# Altium PCB MiniPC.PcbDoc (part 17 of 22)
Units mm, origin at the board's own origin, x right, y up, seen from the top; angles counter-clockwise.
Board outline 175 x 155 mm, 16 copper layers (1_Top, 2_int1_(gnd), 3_int2_(power), 4_int3_(gnd), 5_int4_(sign), 6_int5_(power), 7_int6_(sign), 8_int7_(power), 9_int8_(gnd), 10_int9_(sign), 11_int10_(gnd), 12_int11_(sign), 13_int12_(gnd), 14_int13_(power), 15_int14_(gnd), 16_Bottom), stack 2.008 mm thick; 1046 components, 837 nets, 6010 pads, 4009 vias.
Unrouted connection lines stored in the file: 575.
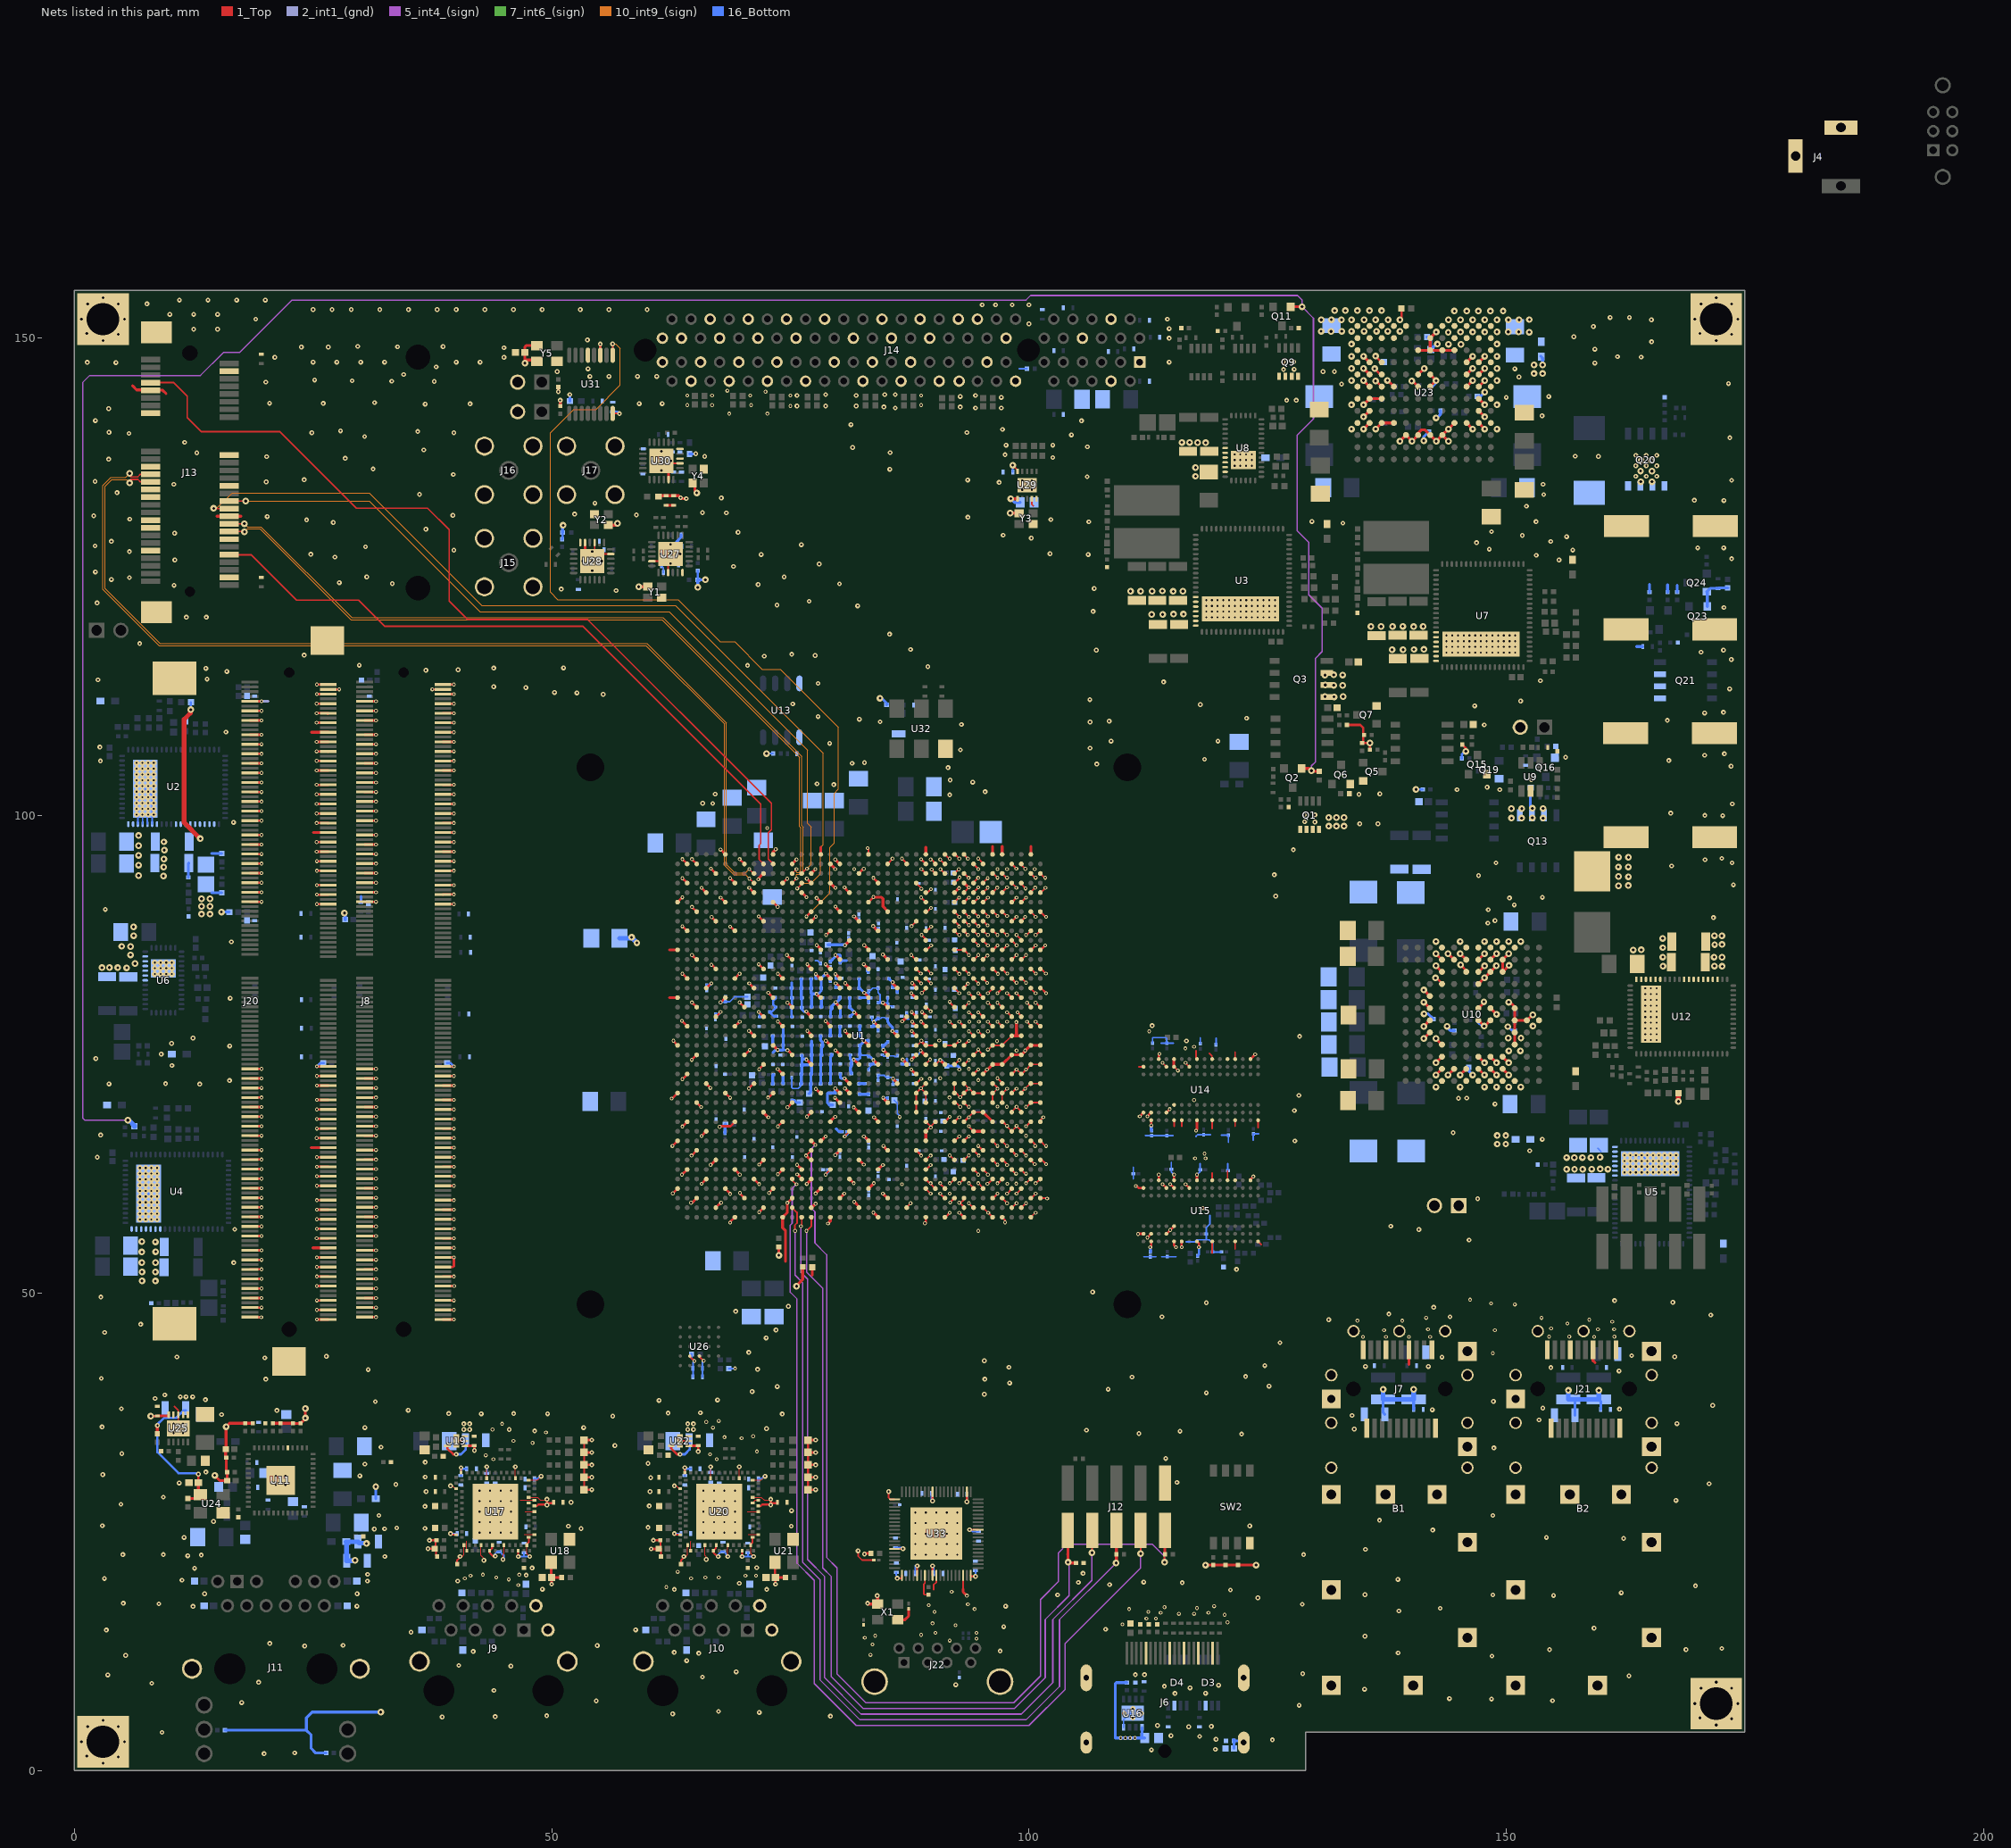
[diagram p31: the nets of this part, all layers, seen from the top]

## Via types
v1: diameter 0.4, hole 0.2, 1_Top to 16_Bottom, tented both sides, 1658 vias
v2: diameter 0.5, hole 0.2, 1_Top to 16_Bottom, tented both sides, 1014 vias
v3: diameter 0.7, hole 0.3, 1_Top to 16_Bottom, tented both sides, 915 vias
v4: diameter 0.6, hole 0.2, 1_Top to 16_Bottom, tented both sides, 278 vias
v5: diameter 0.4, hole 0.2, 1_Top to 16_Bottom, 93 vias
v6: diameter 0.4/0/0/0/0/0/0/0/0/0/0/0/0/0/0/0.4 (per signal layer), hole 0.2, 1_Top to 16_Bottom, tented both sides, 18 vias
v7: diameter 0.4/0/0/0/0/0/0/0/0/0/0/0.4/0.4/0.4/0.4/0.4 (per signal layer), hole 0.2, 1_Top to 16_Bottom, tented both sides, 16 vias
v8: diameter 0.5, hole 0.254, 1_Top to 16_Bottom, tented both sides, 15 vias
v9: diameter 0.5, hole 0.2, 1_Top to 16_Bottom, 2 vias

## Nets (pads, with @x,y where several pads share a name; then routed paths per layer and width w, separated by ;. In a path a pad name is that pad's centre, name@x,y a point inside that pad or via, vN(x,y) a via of type N, cw(c..) or ccw(c..) an arc to the next point about the centre after c; other vN are vias at no path point) (continued)
GND: (continued)
  16_Bottom w0.17: U2.32@6.65,99.11 U2.69@6.65,102.04 ; U2.31@7.15,99.11 7.15,102.54 U2.69@7.42,102.81 8.15,102.08 U2.29@8.15,99.11 ; U4.69@7.5,59.5 7.5,60.13 U4.69@7.77,60.4 8,60.17 U4.69@8,58.3 ; U2.30@7.65,99.11 U2.69@7.65,100.11 ; U6.39@8.875,84.455 U6.39@9.325,84.005 ; C514.2@61.5,126.15 61.7,125.95 C515.2@61.7,125.45 ; C197.1@75.15,72.565 75.16,72.555 75.16,71.54 75.275,71.425 75.825,71.425 76.11,71.71 C199.1@76.11,71.875 ; 77.6,84.8 77.885,84.8 C480.1@78.175,84.51 ; C249.1@82.31,74.975 82.31,74.91 83.055,74.91 C227.1@83.2,74.765 ; C158.1@83.2,73.36 83.2,73.539 83.454,73.793 C424.1@83.454,73.939 ; C184.1@83.2,81.64 83.34,81.64 83.64,81.94 C175.1@84.2,81.94 84.2,81.456 84.4,81.256 84.4,80.61 C436.1@84.2,80.41 ; C179.1@83.535,78.9 83.535,78.59 v1(83.75,78.375) ; 83.7,73.975 v1(83.7,74.4) ; C157.1@84.2,72.285 C260.1@84.2,72.765 84.22,72.785 84.859,72.785 85.054,72.59 C156.1@85.225,72.59 85.61,72.59 v1(85.75,72.45) v1@85.76,72.44 ; C183.1@84.2,78.765 84.471,78.765 84.566,78.86 84.884,78.86 85.079,78.665 C181.1@85.2,78.665 ; C230.1@84.635,74.95 84.771,74.814 85.121,74.814 C262.1@85.2,74.735 ; v1(84.704,80.404) 85.031,80.404 C174.1@85.2,80.235 ; v1@84.71,75.49 v1(84.75,75.45) 85.2,75 C262.1@85.2,74.735 ; C202.1@85.2,80.94 C174.1@85.2,80.235 ; v1(85.7,77.425) 85.735,77.39 C182.1@86.175,77.39 ; C201.1@85.74,79.975 85.74,80.065 85.37,80.065 C174.1@85.225,80.21 C174.1@85.2,80.235 ; C119.1@85.76,71.85 v1@85.76,72.44 ; 86.1,82 86.2,81.9 86.2,81.85 ; C216.1@86.19,74.9 86.025,74.735 85.959,74.735 85.859,74.835 85.3,74.835 C262.1@85.2,74.735 ; C259.1@86.2,72.215 85.985,72.215 v1@85.76,72.44 ; C180.1@87.2,79.315 87.2,78.7 87.4,78.7 ; 88.3,74.9 88.65,75.25 v1(88.65,75.4) ; 99,146.8 R332.2@99.8,146.8 ; U16.8@109.9,4.5 109.9,5.3 110.575,5.975 U16.9@110.875,5.975 ; 110.94,61.94 C269.1@110.94,62.5 110.94,63.16 ; 112.01,53.79 C265.1@112.725,53.79 113.29,53.79 ; 112.2,66.5 112.19,66.49 C264.1@112.85,66.49 C280.1@114.45,66.49 115.09,66.49 ; C270.1@112.95,76.16 112.95,76.75 114.35,76.75 114.425,76.675 C276.1@114.425,76.16 ; 113.84,76.16 C276.1@114.425,76.16 ; 113.9,53.8 115.4,53.8 ; 114.91,63.69 C275.1@114.91,62.95 114.91,62.69 v1(115.2,62.4) ; 115.14,76.16 C276.1@114.425,76.16 ; 116.468,55.368 117.383,55.368 117.59,55.575 118.585,55.575 ; 117.5,66.4 117.69,66.59 C268.1@118.3,66.59 118.99,66.59 ; v1(117.6,62.4) 117.94,62.74 C273.1@117.94,62.9 117.94,63.56 ; C278.1@117.95,76.11 117.95,76.75 ; 118.965,58.11 118.965,57.265 118.585,56.885 C281.1@118.585,56.175 118.585,55.575 ; C272.1@119.6,76.01 119.6,76.7 ; C282.1@120.14,54.3 C279.1@119.235,54.3 119.235,55.24 118.9,55.575 118.585,55.575 ; 120.16,66.54 C266.1@120.9,66.54 120.9,65.8 ; C277.1@120.835,62.825 120.835,63.565 ; 123.5,66 C274.1@123.5,66.665 124.065,66.665 ; C38.1@159.585,65.155 C38.1@159.934,64.806 ; U5.69@162.985,64.306 164.315,64.306 U5.69@165.085,63.536 U5.69@164.355,62.806
  16_Bottom w0.2: C388.1@65.8,41.2 65.8,42.775 v1(65.925,42.9) ; R322.1@68.55,42.1 v1(69.2,42.1)
  16_Bottom w0.25: v1(25.398,73.725) 25.773,74.1 R236.1@26.1,74.1 ; R231.1@39.025,74.1 39.375,74.1 v1(39.75,73.725) ; v1(71.694,79.439) 71.79,79.343 C127.1@71.79,78.925 ; C231.1@73.415,80.95 73.415,80.815 73.2,80.6 73.2,80.215 C244.1@73.465,79.95 73.465,79.865 73.04,79.44 C128.1@72.825,79.44 73.29,78.975 C234.1@73.54,78.975 ; 74.23,77.6 74.265,77.635 C167.1@74.265,76.95 C219.1@74.265,75.95 74.265,75.535 74.371,75.429 v1(74.704,75.429) ; 75.154,82.5 75.154,81.944 C221.1@75.135,81.925 75.135,80.95 C241.1@75.16,80.925 75.16,79.95 C245.1@75.135,79.925 75.135,78.975 C218.1@75.185,78.925 ; 76.21,80.735 C246.1@76.21,79.9 76.21,79.691 76.426,79.475 v1(76.675,79.475) ; C267.1@117.65,53.885 117.8,54.035 v1(117.8,54.8)
  16_Bottom w0.3: C288.1@30.025,90.9 30.025,91.55 ; 63.1,128.7 63.55,129.15 C512.2@63.55,129.4 ; C474.1@68.15,66.735 68.15,67.625 R237.1@68.2,67.675 ; C198.1@73.165,71.875 73.165,72.805 C125.1@73.235,72.875 ; C164.1@73.165,76.925 73.165,75.95 C240.1@73.19,75.925 ; 73.2,75.2 73.45,75.45 v1(73.675,75.45) 74.18,75.45 74.265,75.535 ; 74.229,72.829 74.229,71.961 C238.1@74.265,71.925 ; C124.1@75.175,70.19 75.41,70.19 75.65,69.95 R187.2@76,69.95 ; C199.1@76.11,71.875 76.154,71.919 76.154,72.881 C211.1@76.135,72.9 76.2,72.965 76.2,73.84 C428.1@76.21,73.85 ; C235.1@76.16,82.9 C243.1@76.16,81.9 76.16,80.785 76.21,80.735 ; C426.1@76.21,74.875 76.21,74.5 ; v1(76.7,74.45) 76.65,74.5 76.21,74.5 ; R188.2@76.95,70.875 77.135,71.06 C225.1@77.135,71.9 77.16,71.925 C212.1@77.16,72.925 77.225,72.99 77.225,74.225 ; C256.1@77.185,82.9 C207.1@77.185,81.9 77.185,81.415 77.235,81.365 ; 77.225,76.375 77.225,75.985 C208.1@77.26,75.95 77.235,75.925 C210.1@77.235,74.925 77.225,74.915 77.225,74.225 ; C440.1@77.235,79.95 77.235,81.365 ; C250.1@78.16,71.9 78.185,71.925 C226.1@78.185,72.925 C430.1@78.185,73.95 78.185,74.825 C239.1@78.26,74.9 78.26,75.671 78.36,75.771 C196.1@78.36,75.95 78.36,76.281 78.16,76.481 C236.1@78.16,76.925 ; C427.1@78.26,79.95 78.25,79.96 78.25,80.835 C232.1@78.34,80.925 78.15,80.925 v1(77.75,81.325) ; C459.1@79.175,77.89 79.185,77.88 C209.1@79.185,76.925 ; C204.1@79.175,82.685 79.175,83 v1(78.725,83.45) 78.235,82.96 C144.1@78.235,82.95 C242.1@78.235,81.925 78.235,81.635 77.925,81.325 v1(77.75,81.325) ; C143.1@79.175,84.685 79.725,85.235 v1(79.725,85.4) 80.2,85.4 80.225,85.375 C463.1@80.225,84.61 80.44,84.825 80.9,84.825 ; C251.1@79.185,71.95 79.21,71.975 C213.1@79.21,72.95 C429.1@79.21,73.975 79.21,74.696 79.335,74.821 C222.1@79.335,75 ; C191.1@79.21,78.95 79.21,79.59 79.335,79.715 C438.1@79.335,79.9 79.335,80.035 v1(79.75,80.45) ; 79.8,67.2 80.1,66.9 C451.1@80.44,66.9 ; C233.1@80.185,80.95 80.185,80.771 79.864,80.45 v1(79.75,80.45) ; C163.1@80.21,76.925 C458.1@80.21,77.925 ; C252.1@80.235,72.95 80.235,72.565 80.325,72.475 v1(80.675,72.475) ; C194.1@80.235,78.95 80.235,79.965 v1(79.75,80.45) ; C173.1@81.235,80.925 81.225,80.915 81.225,79.985 C171.1@81.235,79.975 81.235,79.865 v1(81.7,79.4) 81.7,79.39 C176.1@81.285,78.975 ; C214.1@81.285,74.95 81.285,74.515 81.5,74.3 81.385,74.185 C437.1@81.385,73.975 81.385,73.721 81.3,73.636 81.3,73.239 81.385,73.154 C255.1@81.385,72.975 ; v1(81.65,74.45) 82.114,74.45 82.31,74.646 C249.1@82.31,74.91 ; C253.1@82.2,71.915 82.21,71.925 C155.1@82.815,71.925 ; C190.1@82.21,82.9 C188.1@82.21,81.9 82.3,81.9 v1(82.75,81.45) 82.785,81.415 83.2,81.415 83.2,81.115 C187.1@83.39,80.925 83.2,80.735 C435.1@83.2,80.435 ; C200.1@82.225,70.84 82.25,70.815 C195.1@83.225,70.815 ; C249.1@82.31,74.975 82.275,75.01 82.275,75.586 82.31,75.621 82.31,75.9 C160.1@82.285,75.925 82.775,76.415 C166.1@83.175,76.415 83.165,76.425 v1(82.7,76.425) 82.285,76.84 C224.1@82.285,76.975 82.31,77 82.31,77.179 82.275,77.214 82.275,77.94 C203.1@82.31,77.975 ; C439.1@82.31,80.925 C187.1@83.2,80.925 ; 82.9,84.2 83.035,84.065 83.035,83.75 C193.1@83.175,83.61 ; C227.1@83.2,74.765 83.335,74.765 v1(83.7,74.4) ; C424.1@83.454,73.939 83.49,73.975 83.7,73.975 ; C177.1@83.585,77.925 C177.1@83.635,77.975 ; C162.1@84.175,77.51 84.175,77.81 C185.1@84.34,77.975 C177.1@83.635,77.975 ; C183.1@84.2,78.765 84.14,78.765 v1(83.75,78.375) 83.75,78.09 C177.1@83.635,77.975 ; C436.1@84.2,80.41 84.698,80.41 v1(84.704,80.404) ; v1@84.71,75.49 C254.1@84.71,75.95 84.86,75.95 C165.1@85.225,76.315 ; v1(84.725,70.45) 84.76,70.415 C120.1@85.2,70.415 ; C181.1@85.2,78.665 85.2,78.4 85.304,78.296 85.304,78.217 85.7,77.822 v1(85.7,77.425) ; C170.1@85.335,82.925 85.335,82.91 85.71,82.535 C172.1@85.71,82 86.1,82 ; C192.1@86.2,81.51 86.2,81.85 ; C263.1@86.71,73.975 C229.1@87.365,73.975 ; 87.2,74.5 87.2,74.14 C229.1@87.365,73.975 ; C229.1@87.39,73.95 C229.1@87.365,73.975 ; v1(90.7,74.4) 90.79,74.4 C417.1@91.4,73.79 92.51,73.79 92.7,73.6 v5(92.7,73.4) ; Q23.2@171.05,121.9 171.05,123.4 Q24.2@171,123.45 171.35,123.8 C79.1@172.2,123.8 172.25,123.85 R140.1@173.2,123.85 ; C428.1@76.21,73.85 76.21,74.5 ; C428.1@76.21,73.85 76.26,73.9 76.886,73.9 76.893,73.893 77.225,74.225 ; 77.235,81.365 77.275,81.325 v1(77.75,81.325)
  other v1: 91.7,13.6 94.5,13.8 94.5,14.4 92.3,15.2 148.6,43.7 135,45.4 137.4,45.4 139.8,45.4 142.025,45.4 159.2,45.4 154.475,45.425 156.6,45.425 161.325,45.425 137.2,46.1 148.8,46.1 141.8,46.2 159.6,46.2 161.3,46.2 154.7,46.3 156.4,46.8 161.1,47 134.4,47.1 139.1,47.1 158.7,47.2 141.6,47.4 153.7,47.4 150.9,48.8 148.4,48.9 146.2,49.3 114.8,56.6 97.72,61.44 98.67,61.45 99.7,66.46 93.7,68.4 97.68,69.5 96.7,69.52 89.61,72.44 95.6,73.4 73.679,73.454 94.7,75.5 96.65,76.37 88.725,76.425 90.6,76.45 83.7,91.475 93.7,92.475 90.7,95.4 72.579,98.705 68.6,142.1 72.6,142.1 75,142.9 64.2,143 66.8,143 70.9,143 88.7,143 64.2,144 66.8,144 70.8,144 75,144 88.7,144 72.4,144.4 68.4,144.5
  other v2: 19.875,1.75 23.075,1.825 112.825,2.15 119.525,2.2 125.5,3.2 119.6,3.25 117.88,3.56 114.875,3.625 9.175,3.975 116.73,4.56 119.11,4.61 113.46,4.7 110.875,5.475 38.525,5.6 44.075,5.625 79.2,5.675 49.475,5.725 62.675,5.925 109.975,5.975 111.775,5.975 71.75,6.075 67.475,6.175 110.875,6.475 128.3,6.825 17.525,7.1 54.675,7.275 154.85,7.3 148.45,7.475 144.05,7.525 115.3,8.06 118.5,8.08 43.95,8.375 135.15,8.5 116.88,8.64 114.18,8.81 119.87,8.92 92.325,8.975 8.1,9.125 19.3,9.225 65.8,9.775 162.85,9.9 3.5,10 111.15,10.025 112.1,10.025 128.675,10.125 69.325,10.325 45.725,10.925 40.275,11 64.15,11.5 148.5,11.975 5.375,12.05 65.41,12.27 138.675,12.3 62.84,12.36 41.775,12.45 96.975,12.5 154.525,12.65 168.825,12.65 172.575,12.775 24.125,13.025 54.775,13.075 28.15,13.1 20.475,13.3 135.2,14.05 35.275,14.475 3.35,14.7 58.8,14.725 108.025,14.775 159.2,14.9 97.35,15.05 138.75,16.7 143.075,16.975 12.425,17.175 29.6,17.2 97.55,17.2 128.625,17.4 8.85,17.45 5.125,17.5 123.975,18.075 154.95,18.325 103,18.375 148.6,18.375 135.2,18.4 13.64,18.5 29.625,18.5 162.05,18.6 121.1,18.9 62.85,18.95 72.525,18.95 49.025,18.975 169.825,19.325 108.45,19.45 69.65,19.6 116.05,19.65 105.17,19.69 112.025,19.725 30.7,19.825 40.15,19.825 11.275,19.925 138.65,20 3.15,20.1 47.325,20.45 30.725,20.525 105.66,20.64 12.59,21.17 47.95,21.2 71.475,21.225 32.525,22.4 11.88,22.48 13.3,22.55 5.075,22.6 9.325,22.6 88.1,22.6 89.2,22.6 90.3,22.6 91.4,22.6 92.5,22.6 128.775,22.6 135.25,23.15 88.1,23.7 89.2,23.7 90.3,23.7 91.4,23.7 92.5,23.7 162.3,24.3 11.5,24.4 154.2,24.4 88.1,24.8 89.2,24.8 90.3,24.8 91.4,24.8 92.5,24.8 42.45,24.9 43.55,24.9 44.65,24.9 45.75,24.9 65.9,24.9 67,24.9 68.1,24.9 69.2,24.9 142.3,25.175 31.425,25.275 32.5,25.3 53.075,25.325 36.725,25.35 33.775,25.4 60.1,25.45 51.75,25.575 75.1,25.575 123.125,25.6 2.925,25.625 88.1,25.9 89.2,25.9 90.3,25.9 91.4,25.9 92.5,25.9 42.45,26 43.55,26 44.65,26 45.75,26 65.9,26 67,26 68.1,26 69.2,26 14.587,26.075 136.725,26.2 31.9,26.7 148.6,26.7 88.1,27 89.2,27 90.3,27 91.4,27 92.5,27 42.45,27.1 43.55,27.1 44.65,27.1 45.75,27.1 65.9,27.1 67,27.1 68.1,27.1 69.2,27.1 75.125,27.2 36.725,27.65 60.225,27.7 4.875,27.875 52.025,28.075 42.45,28.2 43.55,28.2 44.65,28.2 45.75,28.2 65.9,28.2 67,28.2 68.1,28.2 69.2,28.2 167.775,28.275 9.325,28.625 36.85,29.2 60.3,29.2 42.45,29.3 43.55,29.3 44.65,29.3 45.75,29.3 65.9,29.3 67,29.3 68.1,29.3 69.2,29.3 21.112,29.875 22.112,29.875 33.675,29.95 171.25,30.025 10.975,30.1 115.51,30.165 60.375,30.65 36.75,30.725 29.9,30.85 21.112,30.875 22.112,30.875 2.975,30.975 13.775,31.25 30.425,32.075 60.1,32.15 36.75,32.275 114.325,32.675 4.975,33.175 148.7,33.775 32.125,33.85 56.625,34.025 122.275,35.225 111.525,35.275 10.387,35.325 11.387,35.325 115.825,35.525 48.225,35.55 106.025,35.625 45.55,35.7 134.08,35.75 72.5,35.8 30.425,35.9 53.35,35.9 2.9,35.975 10.387,36.325 11.387,36.325 167.875,36.325 153.43,36.71 56.4,37.1 133.85,37.17 15.425,37.275 74.15,37.325 42.625,37.35 49.575,37.35 39.225,37.375 46.025,37.375 62.2,37.425 65.575,37.45 21.225,37.7 34.975,37.725 142.25,37.77 161.86,37.84 4.925,37.875 153.83,37.95 171.625,38.225 31.525,38.625 148.65,38.65 61.25,38.75 67.375,38.8 13.725,38.825 8.45,38.95 9.475,39.325 95.325,39.4 118.575,39.55 71,39.675 108.3,39.925 73.625,40.2 125.15,40.25 97.975,40.575 20.05,40.975 95.375,40.975 2.825,41.05 110.8,41.2 122.7,41.25 161.81,41.84 30.775,41.975 71.575,42 154.67,42.19 97.9,42.225 135.25,42.31 141.84,42.31 124.7,42.4 95.325,42.9 19.95,43.2 10.75,43.3 143.27,43.29 167.65,43.325 26.4,43.375 163.14,43.44 70.65,43.775 126.3,44.8 72.475,45.3 3.175,45.875 73.5,46.125 6.95,46.725 131.4,47.2 113.925,47.5 144.1,47.5 171.425,47.7 137.7,47.8 69.275,48.075 142.4,48.5 74.8,48.6 118.575,48.975 167.45,49.025 161.35,49.2 2.775,49.575 106.675,50.1 121.75,52.475 16.7,53.175 146.1,55.55 140.85,56.65 16.8,56.675 137.9,57 147,59.875 2.4,64.225 152.45,64.9 127.85,65.925 153.775,66.1 2.75,66.55 144.44,66.795 127.8,69.1 148.815,69.795 144.99,70.395 145.865,70.42 128.275,70.7 13.125,71.875 3.625,71.9 9.55,71.925 16.25,72.25 10.225,73.825 2.25,74.55 9.1,75.025 16.275,75.875 10.19,76.14 116.5,76.4 12.425,76.7 128.35,76.875 112.9,78 16.325,80.875 16.45,86.775 148.065,88.745 148.815,88.995 171.705,89.31 148.115,90.145 3.25,90.175 150.84,90.645 150.34,91.37 153.79,91.445 125.85,91.575 173.8,92.75 147.095,93.725 125.7,93.8 167.325,94.725 148.92,95.05 173.65,95.05 170.825,95.375 172.575,95.525 127.7,96.425 134.65,99.15 136.55,99.15 16.675,99.3 172.675,100 170.8,100.025 167.225,100.25 173.675,101.225 66.875,101.275 65.825,101.3 91.7,102.175 134.575,102.225 67.125,102.25 136.75,102.275 95.4,102.5 144.845,102.725 149.32,102.725 147.995,102.975 79.55,103.25 77.8,103.325 94.1,103.5 91.75,103.725 152.62,103.75 91.525,105.025 173.55,105.175 107.1,105.4 81.475,105.475 82.775,105.55 2.725,105.725 167.025,105.775 118.4,105.9 156.22,106.107 170.775,106.325 172.85,106.475 92.825,106.875 106.4,107.075 2.675,107.175 79.125,107.575 108.6,107.8 119.8,107.8 15.875,108.75 147.695,109.5 92.925,109.55 84.4,109.825 106.4,109.8 108.4,109.9 166.875,109.975 82.225,110.1 122.8,110.2 77.9,110.375 170.775,110.75 172.75,110.825 146.69,111.5 117.95,111.625 75.25,111.7 151.51,112 106.375,112.15 55.4,112.7 52.65,112.85 50.3,112.9 173.4,113.275 47.3,113.4 43.925,113.5 77.9,113.85 114.1,114 153.57,114.135 2.475,114.225 13.9,114.3 15.975,115.1 36.825,115.225 40.2,115.275 13.775,115.425 43.925,115.45 51.25,115.475 89.4,115.6 70.525,115.725 29.85,115.75 173.575,116.35 72.275,116.7 77.6,116.775 24.075,116.8 75.15,116.9 170.4,117.125 107.05,117.325 172.75,117.325 87.6,117.4 6.85,118.025 85.4,119 11.725,120.775 13.825,120.775 106.72,121.39 172.8,121.8 82.05,121.975 73.6,122.05 2.375,122.275 76.975,122.45 56.75,123.575 51,123.725 106.83,123.78 10.45,124.125 71.625,124.2 80.15,124.275 33.3,124.3 27.75,124.4 3.875,124.725 5.775,124.925 30.625,125 74.35,125 2.2,125.525 69.05,126.1 78.025,126.35 10.525,126.775 155.53,126.78 173.6,126.905 27.3,127.075 153.14,127.26 71.95,127.35 106.2,127.35 24.775,127.375 102.2,127.425 5.775,127.65 39.75,127.8 156.96,127.81 148.22,127.91 170.05,128.05 172.775,128.05 30.5,128.15 2.175,128.25 76.15,128.375 146.89,128.59 154.66,128.72 3.875,128.725 100.24,129.07 156.32,129.22 151.68,129.35 97.3,129.375 10.5,129.575 69.525,129.675 148.45,129.74 36.825,130 132.89,130.635 27.125,130.7 106.275,130.775 153.12,130.78 129.64,130.81 24.325,130.975 102.3,131 5.8,131.05 93.6,131.25 20.2,131.325 2.025,131.4 39.65,131.45 58.875,131.5 52.4,131.575 68.3,131.7 65.8,131.725 152.11,132.41 54.525,132.725 172.8,133 169.7,133.025 67.775,133.275 36.15,133.65 153.925,133.625 4.475,133.825 99.3,134.115 100.3,134.115 10.425,134.7 153.85,134.7 96.875,134.9 20.1,134.95 2.175,135 99.3,135.115 100.3,135.115 173.6,135.115 93.575,135.15 24.075,135.175 106.1,135.5 39.7,135.725 85.425,136.275 31.3,136.3 3.6,137.325 28.375,137.425 102.5,137.5 20.15,137.6 66.025,137.625 159.65,137.625 157.225,137.65 97.5,137.8 12.825,138 85.45,138.025 36.6,138.3 81.525,138.55 106.125,138.625 97.6,138.8 102.5,138.8 11.55,139.1 173.425,139.575 30.4,139.7 104.45,139.875 5.725,140.025 24.875,140.1 39.75,140.1 93.5,140.125 3.625,140.15 35.975,140.225 27.875,140.3 97.225,140.45 81.35,140.95 105.5,141.35 2.2,141.375 153.75,141.875 3.6,142.625 86,142.7 94.4,142.7 97.1,142.7 84.8,142.8 92.8,142.8 75.7,142.9 78.7,142.9 81.9,142.9 36.75,143.1 41.45,143.125 26.075,143.175 59.175,143.15 61.575,143.15 20.45,143.2 31.45,143.25 127,143.5 128,143.5 97.1,143.8 150,143.8 92.8,143.9 154.45,143.9 75.7,144 81.9,144 94.4,144 78.7,144.1 84.9,144.1 86,144.1 132.75,145.2 173.275,145.25 20.05,145.4 37.7,145.475 33.25,145.5 29.1,145.55 25.175,145.625 151.325,145.94 54,146 56,146 59,146 61,146 34.5,146.2 50.575,146.5 130.8,146.5 132,146.5 53.8,146.8 150.9,146.8 37.9,147 159.275,147.4 4.35,147.45 1.35,147.475 25,147.5 27.5,147.5 30,147.5 32.5,147.5 40,147.5 42.5,147.5 114.683,147.5 21,148 45,148 164.125,148.025 161.65,148.075 159.275,148.85 45,149 23.775,149.075 26.6,149.075 33.85,149.1 38.625,149.125 29.675,149.15 165.225,149.625 53.75,149.825 114.683,150 157.075,150.15 12.5,150.95 15,150.95 114.683,151 159.125,151.225 100,151.5 165.2,151.925 19,152 114.5,152 160.875,152.175 162.9,152.175 10,152.5 12.5,152.5 15,152.5 25,153 27,153 29,153 32,153 35,153 38,153 40,153 43,153 46,153 49,153 53,153 56,153 60,153 95.1,153.5 96.5,153.5 98.25,153.5 100,153.5 7.6,153.6 11,154 14,154 17,154 20,154
  other v3: 3,0.75 4.6,1.4 1.3,1.5 0.75,3 5.25,3 1.4,4.6 4.6,4.6 172,4.75 3,5.25 173.6,5.4 170.3,5.5 169.75,7 174.25,7 170.4,8.6 173.6,8.6 172,9.25 7.09,51.27 8.49,51.26 7.08,52.2 8.49,52.21 8.51,53.18 7.07,53.19 7.07,54.29 8.52,54.32 8.49,55.35 7.07,55.39 156.31,62.96 157.15,62.96 158,62.95 158.95,62.98 160.65,62.97 159.83,62.99 157.13,64.18 156.31,64.19 157.98,64.19 158.87,64.19 159.82,64.22 142.63,71.575 145.17,71.575 147.71,71.575 148.98,71.575 150.25,71.575 151.52,71.575 150.265,75.37 151.49,75.37 150.215,76.695 151.54,76.695 152.79,77.95 5.48,84.06 2.9,84.08 3.67,84.09 4.55,84.08 166.42,84.23 6.36,84.51 166.4,85.18 5.88,85.41 163.3,85.93 164.14,85.94 166.4,86.17 5.88,86.28 4.96,86.31 142.63,86.815 145.17,86.815 147.71,86.815 148.98,86.815 150.25,86.815 151.52,86.815 166.39,87.15 6.22,87.42 6.2,88.34 9.33,93.68 6.72,93.72 9.36,94.6 6.73,94.81 9.38,95.45 6.73,95.84 9.42,96.38 6.73,96.86 9.38,97.25 6.73,97.91 138.04,117.37 139.19,117.38 140.33,117.4 141.37,117.41 136.88,119.8 140.29,119.79 135.82,119.81 138.08,119.81 139.16,119.83 141.3,119.81 112.86,121.065 114.01,121.075 115.15,121.095 116.19,121.105 115.11,123.485 110.64,123.505 111.7,123.495 112.9,123.505 116.12,123.505 113.98,123.525 117.45,135.54 117.45,136.45 118.51,139.05 116.01,139.08 116.82,139.08 117.67,139.07 133.78,140.49 149.02,140.49 133.78,143.03 149.02,143.03 133.78,145.57 149.02,145.57 133.78,146.84 149.02,146.84 133.78,148.11 149.02,148.11 145.25,149.35 133.78,149.38 143.95,149.375 149.02,149.38 3,149.75 172,149.75 4.6,150.4 173.6,150.4 1.3,150.5 170.3,150.5 0.75,152 5.25,152 169.75,152 174.25,152 1.4,153.6 4.6,153.6 170.4,153.6 173.6,153.6 3,154.25 172,154.25
  other v4: 6.87,57.7 7.47,57.7 8.07,57.7 8.67,57.7 6.87,58.3 7.47,58.3 8.07,58.3 8.67,58.3 6.87,58.9 7.47,58.9 8.07,58.9 8.67,58.9 6.87,59.5 7.47,59.5 8.07,59.5 8.67,59.5 6.87,60.1 7.47,60.1 8.07,60.1 8.67,60.1 6.87,60.7 7.47,60.7 8.07,60.7 8.67,60.7 6.87,61.3 7.47,61.3 8.07,61.3 8.67,61.3 6.87,61.9 7.47,61.9 8.07,61.9 8.67,61.9 6.87,62.5 7.47,62.5 8.07,62.5 8.67,62.5 162.385,62.636 162.985,62.636 163.585,62.636 164.185,62.636 164.785,62.636 165.385,62.636 165.985,62.636 166.585,62.636 167.185,62.636 167.785,62.636 6.87,63.1 7.47,63.1 8.07,63.1 8.67,63.1 162.385,63.236 162.985,63.236 163.585,63.236 164.185,63.236 164.785,63.236 165.385,63.236 165.985,63.236 166.585,63.236 167.185,63.236 167.785,63.236 162.385,63.836 162.985,63.836 163.585,63.836 164.185,63.836 164.785,63.836 165.385,63.836 165.985,63.836 166.585,63.836 167.185,63.836 167.785,63.836 162.385,64.436 162.985,64.436 163.585,64.436 164.185,64.436 164.785,64.436 165.385,64.436 165.985,64.436 166.585,64.436 167.185,64.436 167.785,64.436 164.554,76.5 165.154,76.5 165.754,76.5 164.554,77.1 165.154,77.1 165.754,77.1 164.554,77.7 165.154,77.7 165.754,77.7 164.554,78.3 165.154,78.3 165.754,78.3 164.554,78.9 165.154,78.9 165.754,78.9 164.554,79.5 165.154,79.5 165.754,79.5 164.554,80.1 165.154,80.1 165.754,80.1 164.554,80.7 165.154,80.7 165.754,80.7 164.554,81.3 165.154,81.3 165.754,81.3 164.554,81.9 165.154,81.9 165.754,81.9 8.425,83.405 9.025,83.405 9.625,83.405 10.225,83.405 8.425,84.005 9.025,84.005 9.625,84.005 10.225,84.005 8.425,84.605 9.025,84.605 9.625,84.605 10.225,84.605 6.52,100.11 7.12,100.11 7.72,100.11 8.32,100.11 6.52,100.71 7.12,100.71 7.72,100.71 8.32,100.71 6.52,101.31 7.12,101.31 7.72,101.31 8.32,101.31 6.52,101.91 7.12,101.91 7.72,101.91 8.32,101.91 6.52,102.51 7.12,102.51 7.72,102.51 8.32,102.51 6.52,103.11 7.12,103.11 7.72,103.11 8.32,103.11 6.52,103.71 7.12,103.71 7.72,103.71 8.32,103.71 6.52,104.31 7.12,104.31 7.72,104.31 8.32,104.31 6.52,104.91 7.12,104.91 7.72,104.91 8.32,104.91 6.52,105.51 7.12,105.51 7.72,105.51 8.32,105.51 143.745,117.07 144.345,117.07 144.945,117.07 145.545,117.07 146.145,117.07 146.745,117.07 147.345,117.07 147.945,117.07 148.545,117.07 149.145,117.07 149.745,117.07 150.345,117.07 150.945,117.07 143.745,117.67 144.345,117.67 144.945,117.67 145.545,117.67 146.145,117.67 146.745,117.67 147.345,117.67 147.945,117.67 148.545,117.67 149.145,117.67 149.745,117.67 150.345,117.67 150.945,117.67 143.745,118.27 144.345,118.27 144.945,118.27 145.545,118.27 146.145,118.27 146.745,118.27 147.345,118.27 147.945,118.27 148.545,118.27 149.145,118.27 149.745,118.27 150.345,118.27 150.945,118.27 143.745,118.87 144.345,118.87 144.945,118.87 145.545,118.87 146.145,118.87 146.745,118.87 147.345,118.87 147.945,118.87 148.545,118.87 149.145,118.87 149.745,118.87 150.345,118.87 150.945,118.87 118.565,120.765 119.165,120.765 119.765,120.765 120.365,120.765 120.965,120.765 121.565,120.765 122.165,120.765 122.765,120.765 123.365,120.765 123.965,120.765 124.565,120.765 125.165,120.765 125.765,120.765 118.565,121.365 119.165,121.365 119.765,121.365 120.365,121.365 120.965,121.365 121.565,121.365 122.165,121.365 122.765,121.365 123.365,121.365 123.965,121.365 124.565,121.365 125.165,121.365 125.765,121.365 118.565,121.965 119.165,121.965 119.765,121.965 120.365,121.965 120.965,121.965 121.565,121.965 122.165,121.965 122.765,121.965 123.365,121.965 123.965,121.965 124.565,121.965 125.165,121.965 125.765,121.965 118.565,122.565 119.165,122.565 119.765,122.565 120.365,122.565 120.965,122.565 121.565,122.565 122.165,122.565 122.765,122.565 123.365,122.565 123.965,122.565 124.565,122.565 125.165,122.565 125.765,122.565 121.55,136.645 122.15,136.645 122.75,136.645 123.35,136.645 121.55,137.245 122.15,137.245 122.75,137.245 123.35,137.245 121.55,137.845 122.15,137.845 122.75,137.845 123.35,137.845